# Allegro board gps_interface_boardv51ph_smoothed.brd (continued)
## Routing (per net, layer and track width the routed paths; a pad name or vN(x,y) marks a point on that pad's centre or on a via; arc(x,y) is an arc through that point) (continued)
FMC.AUXOUT0_P: length 161.8
  TOP w0.33: P2.8 281.31,53.01 arc(281.07,52.91) 280.97,52.68 280.97,49.28 arc(280.85,48.65) 280.49,48.11 277.06,44.68 arc(276.52,44.32) 275.89,44.2 259.16,44.2 arc(258.53,44.32) 257.99,44.68 254.21,48.47 arc(253.85,48.71) 253.42,48.79 173.38,48.79 arc(172.95,48.71) 172.59,48.47 158.06,33.94 arc(157.82,33.58) 157.73,33.15 157.73,15.4 arc(157.82,14.97) 158.06,14.61 158.53,14.14 arc(158.89,13.6) 159.02,12.97 159.02,12.36 arc(159.06,12.14) 159.18,11.97 159.22,11.92 arc(159.34,11.74) 159.38,11.53 v1(159.38,11.14)
  BOTTOM w0.33: 159.38,12.06 v1(159.38,11.14)
FMC.AUXOUT1_N: length 163.7
  TOP w0.33: v1(154.31,11.14) 154.31,11.53 arc(154.35,11.74) 154.47,11.92 154.51,11.97 arc(154.63,12.14) 154.67,12.36 154.67,12.97 arc(154.59,13.4) 154.35,13.76 153.87,14.23 arc(153.52,14.77) 153.39,15.4 153.39,35.05 arc(153.52,35.68) 153.87,36.21 168.08,50.42 arc(168.61,50.78) 169.25,50.9 254.23,50.9 arc(254.86,50.78) 255.4,50.42 258.85,46.96 arc(259.22,46.72) 259.64,46.63 272.59,46.63 arc(273.01,46.72) 273.38,46.96 275.11,48.69 arc(275.35,49.06) 275.44,49.49 275.44,53.05 arc(275.56,53.68) 275.92,54.22 276.37,54.66 arc(276.52,54.9) 276.58,55.18 P2.11
  BOTTOM w0.33: J8.G19 v1(154.31,11.14)
FMC.AUXOUT1_P: length 161.2
  TOP w0.33: v1(155.57,11.14) 155.57,11.53 arc(155.53,11.74) 155.41,11.92 155.37,11.97 arc(155.25,12.14) 155.21,12.36 155.21,12.97 arc(155.08,13.6) 154.72,14.14 154.25,14.61 arc(154.01,14.97) 153.92,15.4 153.92,35.05 arc(154.01,35.47) 154.25,35.84 168.46,50.04 arc(168.82,50.28) 169.25,50.37 254.23,50.37 arc(254.66,50.28) 255.02,50.04 258.48,46.58 arc(259.01,46.23) 259.64,46.1 272.59,46.1 arc(273.22,46.23) 273.75,46.58 275.49,48.32 arc(275.85,48.85) 275.97,49.49 275.97,52.68 arc(276.07,52.91) 276.3,53.01 P2.12
  BOTTOM w0.33: J8.G18 v1(155.57,11.14)
FMC.AUXOUT2_N: length 162.1
  TOP w0.33: P2.15 271.5,55.15 arc(271.44,54.84) 271.26,54.58 270.73,54.04 arc(270.4,53.55) 270.28,52.96 270.28,50.25 arc(270.2,49.82) 269.95,49.46 269.34,48.84 arc(268.98,48.6) 268.55,48.51 260.46,48.51 arc(260.03,48.6) 259.67,48.84 256.34,52.17 arc(255.8,52.53) 255.17,52.65 166.67,52.65 arc(166.04,52.53) 165.51,52.17 150.06,36.73 arc(149.71,36.19) 149.58,35.56 149.58,15.14 arc(149.71,14.51) 150.06,13.98 150.58,13.46 arc(150.79,13.15) 150.86,12.78 150.86,12.36 arc(150.82,12.14) 150.7,11.97 150.66,11.92 arc(150.54,11.74) 150.5,11.53 v1(150.5,11.14)
  BOTTOM w0.33: J8.G22 v1(150.5,11.14)
FMC.AUXOUT2_P: length 160.1
  TOP w0.33: P2.16 271.25,53.26 271.14,53.26 arc(270.91,53.17) 270.81,52.93 270.81,50.25 arc(270.69,49.62) 270.33,49.08 269.72,48.46 arc(269.18,48.11) 268.55,47.98 260.46,47.98 arc(259.83,48.11) 259.29,48.46 255.96,51.79 arc(255.6,52.04) 255.17,52.12 166.67,52.12 arc(166.25,52.04) 165.88,51.79 150.44,36.35 arc(150.2,35.99) 150.11,35.56 150.11,15.14 arc(150.2,14.72) 150.44,14.35 150.96,13.83 arc(151.28,13.35) 151.4,12.78 151.4,12.36 arc(151.44,12.14) 151.56,11.97 151.6,11.92 arc(151.72,11.74) 151.76,11.53 v1(151.76,11.14)
  BOTTOM w0.33: 151.76,12.06 v1(151.76,11.14)
FMC.AUXOUT3_N: length 155.4
  TOP w0.33: P2.19 266.42,54.88 arc(266.31,54.6) 266.03,54.48 164.84,54.48 arc(164.21,54.36) 163.68,54 146.36,36.68 arc(146,36.14) 145.87,35.51 145.87,14.81 arc(146,14.18) 146.36,13.65 146.86,13.15 arc(147,12.93) 147.05,12.67 147.05,12.36 arc(147.01,12.14) 146.89,11.97 146.85,11.92 arc(146.73,11.74) 146.69,11.53 v1(146.69,11.14)
  BOTTOM w0.33: J8.G25 v1(146.69,11.14)
FMC.AUXOUT3_P: length 154.4
  TOP w0.33: P2.20 266.42,53.62 arc(266.32,53.85) 266.09,53.95 164.84,53.95 arc(164.42,53.86) 164.05,53.62 146.73,36.3 arc(146.49,35.94) 146.41,35.51 146.41,14.81 arc(146.49,14.39) 146.73,14.02 147.23,13.52 arc(147.49,13.13) 147.59,12.67 147.59,12.36 arc(147.63,12.14) 147.75,11.97 147.79,11.92 arc(147.91,11.74) 147.96,11.53 v1(147.96,11.14)
  BOTTOM w0.33: J8.G24 v1(147.96,11.14)
FMC.CLK_FILTER_A: length 123
  TOP w0.203: U18.16 102.64,34.47 arc(101.92,34.77) 101.63,35.48 v1(101.63,42.29) ; v1(93.57,120.78) 93.57,131.95 arc(92.87,133.66) 91.16,134.37 81.96,134.37 arc(81.73,134.32) 81.54,134.19 U1.1
  BOTTOM w0.203: v1(101.63,42.29) 92.41,42.29 arc(91.69,42.59) 91.39,43.31 91.39,101.9 arc(91.47,102.28) 91.69,102.61 93.28,104.2 arc(93.5,104.53) 93.57,104.92 v1(93.57,120.78)
FMC.CLK_FILTER_B: length 138.5
  TOP w0.203: U1.6 78.08,133.99 arc(77.58,134.2) 77.37,134.7 77.37,135.66 arc(77.87,136.88) 79.1,137.39 81.8,137.39 arc(82.19,137.31) 82.52,137.09 83.62,135.98 arc(83.95,135.76) 84.34,135.69 91.59,135.69 arc(94.05,134.67) 95.07,132.21 95.07,120.55 arc(94.75,119.78) 93.98,119.46 92.79,119.46 v1(92.76,119.48) ; U18.14 104.49,37.84 arc(104.41,38.23) 104.19,38.56 103.76,38.99 arc(103.48,39.66) 103.76,40.33 v1(104.49,41.06)
  BOTTOM w0.203: v1(104.49,41.06) 91.84,41.06 arc(91.06,41.38) 90.74,42.16 90.74,102.73 arc(90.81,103.12) 91.03,103.45 92.46,104.88 arc(92.68,105.21) 92.76,105.6 v1(92.76,119.48)
FMC.CLK_FROM_FPGA_N: length 153
  TOP w0.33: v1(98.64,53.54) 98.39,53.79 arc(98.25,54) 98.2,54.26 98.2,63.01 arc(98.23,63.2) 98.34,63.37 98.53,63.55 arc(98.75,63.89) 98.83,64.28 98.83,71.38 arc(98.92,71.8) 99.16,72.17 99.87,72.88 arc(100.23,73.12) 100.66,73.2 102.26,73.2 arc(102.43,73.17) 102.58,73.07 102.62,73.03 arc(102.77,72.93) 102.93,72.9 C2736.1 ; v1(165.74,11.14) 165.74,11.53 arc(165.78,11.74) 165.9,11.92 165.94,11.97 arc(166.06,12.14) 166.1,12.36 166.1,12.75 arc(166.04,13.09) 165.85,13.38 165.3,13.92 arc(164.95,14.45) 164.82,15.09 164.82,28.27 arc(164.95,28.9) 165.3,29.44 177.52,41.66 arc(177.77,42.02) 177.85,42.45 177.85,43.46 arc(177.81,43.69) 177.68,43.88 v1(177.46,44.1)
  SIG w0.203: v1(177.46,44.1) 177.87,43.68 arc(177.94,43.59) 177.96,43.47 177.96,43.31 177.95,43.3 177.95,43.13 177.5,42.67 arc(177.3,42.54) 177.06,42.49 174.37,42.49 arc(174.14,42.54) 173.94,42.67 173.25,43.37 arc(172.92,43.59) 172.53,43.66 102.16,43.66 arc(101.92,43.71) 101.73,43.84 98.31,47.26 arc(98.18,47.45) 98.13,47.69 98.13,52.7 arc(98.19,53.01) 98.37,53.28 v1(98.64,53.54)
  BOTTOM w0.33: J8.G10 v1(165.74,11.14)
FMC.CLK_FROM_FPGA_P: length 155.3
  TOP w0.33: v1(167,11.14) 167,11.53 arc(166.96,11.74) 166.84,11.92 166.8,11.97 arc(166.68,12.14) 166.64,12.36 166.64,12.75 arc(166.53,13.3) 166.22,13.75 165.68,14.3 arc(165.44,14.66) 165.35,15.09 165.35,28.27 arc(165.44,28.7) 165.68,29.06 177.9,41.28 arc(178.26,41.82) 178.38,42.45 178.38,43.71 arc(178.5,43.98) 178.78,44.1 v1(178.87,44.1) ; C2735.1 102.93,74.04 arc(102.77,74.01) 102.62,73.91 102.58,73.87 arc(102.43,73.77) 102.26,73.74 100.66,73.74 arc(100.03,73.61) 99.49,73.25 98.78,72.54 arc(98.42,72.01) 98.3,71.38 98.3,64.28 arc(98.26,64.09) 98.15,63.93 97.97,63.74 arc(97.74,63.41) 97.66,63.01 97.66,54.26 arc(97.61,54) 97.47,53.79 v1(97.22,53.54)
  SIG w0.203: v1(97.22,53.54) 97.49,53.28 arc(97.66,53.01) 97.73,52.7 97.73,47.69 arc(97.8,47.3) 98.02,46.97 101.44,43.55 arc(101.77,43.33) 102.16,43.26 172.53,43.26 arc(172.76,43.21) 172.96,43.08 173.65,42.39 arc(173.98,42.17) 174.37,42.09 177.06,42.09 arc(177.45,42.17) 177.78,42.39 178.36,42.96 178.36,43.13 178.37,43.14 178.37,43.47 arc(178.39,43.59) 178.46,43.69 v1(178.87,44.1)
  BOTTOM w0.33: J8.G9 v1(167,11.14)
FMC.CLK_GEN_INTR*: length 51.3
  TOP w0.203: v1(113.28,39.47) 113.69,39.07 arc(113.92,38.51) 113.69,37.95 113.47,37.73 arc(113.33,37.52) 113.28,37.27 U17.4 ; U48.12 106.36,78.13 arc(106.23,78.16) 106.12,78.23 v1(105.99,78.36)
  BOTTOM w0.203: v1(113.28,39.47) 111.63,41.13 arc(111.41,41.46) 111.33,41.85 111.33,65.85 arc(111.25,66.24) 111.03,66.57 106.29,71.3 arc(106.07,71.63) 105.99,72.02 v1(105.99,78.36)
FMC.CLK_GEN_LOL*: length 80.7
  TOP w0.203: v1(125.35,83.74) 125.17,83.56 arc(125,83.45) 124.81,83.41 122.61,83.41 arc(122.44,83.38) 122.3,83.29 122.27,83.26 arc(122.13,83.17) 121.97,83.13 U48.47 ; U17.5 v1(112.63,38.25)
  SIG w0.203: v1(105.02,64.07) 105.02,67.48 arc(104.94,67.87) 104.72,68.2 104.01,68.92 arc(103.79,69.25) 103.71,69.64 103.71,77.71 arc(103.79,78.1) 104.01,78.43 107.68,82.1 arc(108.01,82.32) 108.4,82.4 120.81,82.4 arc(121.2,82.47) 121.53,82.7 122.28,83.45 arc(122.61,83.67) 123,83.74 v1(125.35,83.74)
  BOTTOM w0.203: v1(112.63,38.25) 109.77,41.11 arc(109.55,41.44) 109.47,41.83 109.47,48.88 arc(109.4,49.27) 109.18,49.6 105.81,52.97 arc(105.59,53.3) 105.51,53.68 105.51,56.93 arc(105.43,57.32) 105.21,57.65 102.1,60.76 arc(101.88,61.09) 101.8,61.48 101.8,62.4 arc(101.88,62.79) 102.1,63.11 Q1.1 v1(105.02,64.07)
FMC.CLK_GEN_RST*: length 76.7
  TOP w0.203: v1(98.96,43.74) 104.7,43.74 arc(106.01,43.2) 106.55,41.88 106.55,40.5 arc(106.48,40.11) 106.26,39.78 105.99,39.52 arc(105.77,39.19) 105.69,38.8 105.69,37.26 105.79,37.17 U18.12 ; v1(104.98,81.13) U48.6
  BOTTOM w0.203: v1(98.96,43.74) 93.12,43.74 arc(92.4,44.04) 92.1,44.75 92.1,78.04 arc(92.18,78.43) 92.4,78.76 94.47,80.84 arc(94.8,81.06) 95.19,81.13 v1(104.98,81.13)
FMC.CLK_TO_FPGA_N: length 128.5
  TOP w0.203: 125.66,80.7 125.6,80.76 122.53,80.76 arc(122.15,80.84) 121.82,81.06 121.56,81.32 arc(121.23,81.54) 120.84,81.62 120.28,81.62 120.26,81.63 U48.44
  TOP w0.33: v1(175.48,30.4) 175.72,30.16 arc(175.87,29.94) 175.92,29.69 175.92,12.82 arc(175.89,12.68) 175.81,12.56 174.62,11.37 v1(174.62,11.04) ; 125.66,80.7 126.4,79.96 arc(126.51,79.8) 126.54,79.61 126.54,56.83 arc(126.51,56.65) 126.4,56.49 124.5,54.6 arc(124.28,54.27) 124.21,53.88 124.21,42.77 arc(124.17,42.56) 124.05,42.39 v1(123.85,42.19)
  SIG w0.203: v1(123.85,42.19) 124.08,41.96 arc(124.23,41.73) 124.28,41.47 124.28,40.83 arc(124.36,40.44) 124.58,40.11 125.43,39.26 arc(125.76,39.04) 126.15,38.96 172.42,38.96 arc(172.65,38.92) 172.85,38.78 175.81,35.83 arc(175.94,35.63) 175.98,35.4 175.98,31.24 arc(175.92,30.93) 175.75,30.67 v1(175.48,30.4)
  BOTTOM w0.33: J8.G3 v1(174.62,11.04)
FMC.CLK_TO_FPGA_P: length 129.1
  TOP w0.203: U48.45 120.26,82.13 120.28,82.15 120.88,82.15 arc(121.27,82.07) 121.6,81.85 122.1,81.35 arc(122.3,81.22) 122.54,81.17 125.94,81.17
  TOP w0.33: v1(176.89,30.4) 176.65,30.16 arc(176.5,29.94) 176.45,29.69 176.45,12.82 arc(176.38,12.47) 176.19,12.18 176.15,12.14 arc(175.96,11.86) 175.9,11.52 v1(175.9,11.04) ; v1(125.12,42.19) 124.91,42.4 arc(124.78,42.59) 124.74,42.81 124.74,53.88 arc(124.78,54.06) 124.88,54.22 126.78,56.12 arc(127,56.45) 127.08,56.83 127.08,79.61 arc(127,80) 126.78,80.33 125.94,81.17
  SIG w0.203: v1(125.12,42.19) 124.89,41.96 arc(124.74,41.73) 124.69,41.47 124.69,40.83 arc(124.74,40.6) 124.87,40.4 125.72,39.55 arc(125.92,39.42) 126.15,39.37 172.42,39.37 arc(172.81,39.29) 173.14,39.07 176.09,36.11 arc(176.31,35.79) 176.39,35.4 176.39,31.24 arc(176.45,30.93) 176.63,30.67 v1(176.89,30.4)
  BOTTOM w0.33: J8.G2 v1(175.9,11.04)
FMC.DATA_TO_FF_N0: length 161.7
  TOP w0.178: U22.3 279.66,83.77 279.64,83.76 278.68,83.76
  TOP w0.33: 278.68,83.76 277.53,83.76 arc(277.1,83.67) 276.74,83.43 275.69,82.38 arc(275.45,82.01) 275.36,81.59 275.36,65.52 arc(275.44,65.14) 275.65,64.82 276,64.47 276.27,64.47 arc(276.46,64.5) 276.61,64.61 v1(276.91,64.9)
  BOTTOM w0.33: J8.H8 168.48,13.54 arc(168.6,13.72) 168.64,13.93 168.64,25.54 arc(168.77,26.17) 169.13,26.71 179.91,37.49 arc(180.44,37.85) 181.07,37.97 241.17,37.97 arc(241.6,38.06) 241.97,38.3 267.65,63.98 arc(268.18,64.34) 268.81,64.47 276.19,64.47 arc(276.45,64.52) 276.67,64.66 v1(276.91,64.9)
FMC.DATA_TO_FF_N1: length 155.7
  TOP w0.178: U26.3 257.59,83.87 257.57,83.86 256.6,83.86
  TOP w0.33: 256.6,83.86 255,83.86 arc(254.54,83.67) 254.36,83.22 254.36,79.97 arc(254.23,79.33) 253.87,78.8 252.91,77.83 arc(252.66,77.47) 252.58,77.04 252.58,70.81 arc(252.66,70.39) 252.91,70.02 256.56,66.37 arc(256.92,66.13) 257.35,66.04 261.38,66.04 arc(261.64,66.09) 261.86,66.24 v1(262.1,66.48)
  BOTTOM w0.33: J8.H11 164.67,13.54 arc(164.79,13.72) 164.83,13.93 164.83,25.01 arc(164.96,25.64) 165.32,26.18 179.25,40.11 arc(179.78,40.46) 180.41,40.59 234.28,40.59 arc(234.71,40.67) 235.07,40.92 259.71,65.56 arc(260.25,65.91) 260.88,66.04 261.38,66.04 arc(261.64,66.09) 261.86,66.24 v1(262.1,66.48)
FMC.DATA_TO_FF_N2: length 134.3
  TOP w0.178: 234.3,83.86 235.27,83.86 235.28,83.87 U30.3
  TOP w0.33: v1(235.69,57.77) 235.44,57.52 arc(235.23,57.38) 234.97,57.33 233.71,57.33 arc(233.28,57.41) 232.92,57.66 231.21,59.36 arc(230.97,59.73) 230.89,60.15 230.89,81.59 arc(230.97,82.01) 231.21,82.38 232.37,83.53 arc(232.73,83.77) 233.16,83.86 234.3,83.86
  BOTTOM w0.33: J8.H14 160.86,13.54 arc(160.98,13.72) 161.02,13.93 161.02,25.03 arc(161.15,25.66) 161.51,26.19 177.86,42.54 arc(178.39,42.9) 179.03,43.03 217.67,43.03 arc(218.1,43.11) 218.46,43.36 231.95,56.84 arc(232.49,57.2) 233.12,57.33 234.97,57.33 arc(235.23,57.38) 235.44,57.52 v1(235.69,57.77)
FMC.DATA_TO_FF_N3: length 108.7
  TOP w0.178: U34.3 206.07,83.87 206.06,83.86 205.09,83.86
  TOP w0.33: 205.09,83.86 203.48,83.86 arc(203.03,83.67) 202.84,83.22 202.84,81.25 arc(202.72,80.62) 202.36,80.09 198.7,76.43 arc(198.46,76.06) 198.37,75.64 198.37,61.12 arc(198.46,60.69) 198.7,60.33 201.55,57.48 arc(201.91,57.24) 202.34,57.15 203.52,57.15 arc(203.78,57.2) 204,57.35 v1(204.24,57.59)
  BOTTOM w0.33: v1(204.24,57.59) 204,57.35 arc(203.78,57.2) 203.52,57.15 201.34,57.15 arc(200.71,57.02) 200.18,56.67 193.88,50.37 arc(193.51,50.12) 193.08,50.04 182.05,50.04 arc(181.42,49.91) 180.88,49.55 157.7,26.37 arc(157.34,25.84) 157.21,25.2 157.21,13.93 arc(157.17,13.72) 157.05,13.54 J8.H17
FMC.DATA_TO_FF_N4: length 98.3
  TOP w0.178: U38.3 183.77,83.87 183.76,83.86 182.79,83.86
  TOP w0.33: v1(189.33,57.56) 189.09,57.32 arc(188.87,57.18) 188.61,57.12 187.25,57.12 arc(186.82,57.21) 186.46,57.45 179.47,64.43 arc(179.23,64.8) 179.15,65.23 179.15,81.36 arc(179.23,81.79) 179.47,82.15 180.86,83.53 arc(181.22,83.77) 181.65,83.86 182.79,83.86
  BOTTOM w0.33: J8.H20 153.24,13.54 arc(153.36,13.72) 153.4,13.93 153.4,25.21 arc(153.53,25.84) 153.89,26.38 184.15,56.64 arc(184.68,57) 185.32,57.12 188.61,57.12 arc(188.87,57.18) 189.09,57.32 v1(189.33,57.56)
FMC.DATA_TO_FF_N5: length 112.7
  TOP w0.178: 160.67,83.86 161.63,83.86 161.65,83.87 U42.3
  TOP w0.33: 160.67,83.86 159.52,83.86 arc(159.1,83.77) 158.73,83.53 157.15,81.95 arc(156.9,81.58) 156.82,81.15 156.82,61.57 arc(156.9,61.14) 157.15,60.78 160.4,57.53 arc(160.76,57.29) 161.19,57.2 180.61,57.2 arc(180.87,57.25) 181.09,57.4 v1(181.33,57.64)
  BOTTOM w0.33: J8.H23 149.43,13.54 arc(149.55,13.72) 149.59,13.93 149.59,28.79 arc(149.72,29.42) 150.08,29.95 176.84,56.72 arc(177.38,57.08) 178.01,57.2 180.61,57.2 arc(180.87,57.25) 181.09,57.4 v1(181.33,57.64)
FMC.DATA_TO_FF_P0: length 162.5
  TOP w0.178: 279.64,84.29 279.66,84.27 U22.2
  TOP w0.33: 279.64,84.29 277.53,84.29 arc(276.9,84.16) 276.36,83.81 275.31,82.75 arc(274.95,82.22) 274.83,81.59 274.83,65.52 arc(274.94,64.94) 275.28,64.44 275.78,63.93 276.19,63.93 arc(276.45,63.88) 276.67,63.74 v1(276.91,63.49)
  BOTTOM w0.33: v1(276.91,63.49) 276.67,63.74 arc(276.45,63.88) 276.19,63.93 268.81,63.93 arc(268.39,63.85) 268.02,63.6 242.34,37.92 arc(241.81,37.57) 241.17,37.44 181.07,37.44 arc(180.65,37.35) 180.28,37.11 169.5,26.33 arc(169.26,25.97) 169.18,25.54 169.18,13.93 arc(169.22,13.72) 169.34,13.54 169.54,13.34
FMC.DATA_TO_FF_P1: length 156.5
  TOP w0.178: 257.57,84.39 257.59,84.37 U26.2
  TOP w0.33: v1(262.1,65.07) 261.86,65.31 arc(261.64,65.46) 261.38,65.51 257.35,65.51 arc(256.72,65.63) 256.18,65.99 252.53,69.65 arc(252.17,70.18) 252.04,70.81 252.04,77.04 arc(252.17,77.67) 252.53,78.21 253.49,79.17 arc(253.74,79.54) 253.82,79.97 253.82,83.22 arc(254.17,84.05) 255,84.39 257.57,84.39
  BOTTOM w0.33: J8.H10 165.53,13.54 arc(165.41,13.72) 165.37,13.93 165.37,25.01 arc(165.45,25.44) 165.69,25.8 179.62,39.73 arc(179.99,39.97) 180.41,40.06 234.28,40.06 arc(234.92,40.18) 235.45,40.54 260.09,65.18 arc(260.45,65.42) 260.88,65.51 261.38,65.51 arc(261.64,65.46) 261.86,65.31 v1(262.1,65.07)
FMC.DATA_TO_FF_P2: length 135.1
  TOP w0.178: U30.2 235.28,84.37 235.27,84.39
  TOP w0.33: 235.27,84.39 233.16,84.39 arc(232.53,84.27) 231.99,83.91 230.84,82.75 arc(230.48,82.22) 230.35,81.59 230.35,60.15 arc(230.48,59.52) 230.84,58.99 232.54,57.28 arc(233.08,56.92) 233.71,56.79 234.97,56.79 arc(235.23,56.74) 235.44,56.6 v1(235.69,56.35)
  BOTTOM w0.33: v1(235.69,56.35) 235.44,56.6 arc(235.23,56.74) 234.97,56.79 233.12,56.79 arc(232.69,56.71) 232.33,56.47 218.84,42.98 arc(218.3,42.62) 217.67,42.49 179.03,42.49 arc(178.6,42.41) 178.23,42.17 161.88,25.82 arc(161.64,25.45) 161.56,25.03 161.56,13.93 arc(161.6,13.72) 161.72,13.54 J8.H13
FMC.DATA_TO_FF_P3: length 109.5
  TOP w0.178: 206.06,84.39 206.07,84.37 U34.2
  TOP w0.33: v1(204.24,56.18) 204,56.42 arc(203.78,56.57) 203.52,56.62 202.34,56.62 arc(201.71,56.74) 201.17,57.1 198.32,59.95 arc(197.97,60.49) 197.84,61.12 197.84,75.64 arc(197.97,76.27) 198.32,76.8 201.98,80.46 arc(202.23,80.83) 202.31,81.25 202.31,83.22 arc(202.65,84.05) 203.48,84.39 206.06,84.39
  BOTTOM w0.33: J8.H16 157.91,13.54 arc(157.79,13.72) 157.75,13.93 157.75,25.2 arc(157.83,25.63) 158.07,25.99 181.26,49.18 arc(181.62,49.42) 182.05,49.5 193.08,49.5 arc(193.72,49.63) 194.25,49.99 200.55,56.29 arc(200.92,56.53) 201.34,56.62 203.52,56.62 arc(203.78,56.57) 204,56.42 v1(204.24,56.18)
FMC.DATA_TO_FF_P4: length 99.1
  TOP w0.178: U38.2 183.77,84.37 183.76,84.39
  TOP w0.33: v1(189.33,56.15) 189.09,56.39 arc(188.87,56.54) 188.61,56.59 187.25,56.59 arc(186.62,56.72) 186.08,57.07 179.1,64.06 arc(178.74,64.59) 178.61,65.23 178.61,81.36 arc(178.74,81.99) 179.1,82.53 180.48,83.91 arc(181.01,84.27) 181.65,84.39 183.76,84.39
  BOTTOM w0.33: v1(189.33,56.15) 189.09,56.39 arc(188.87,56.54) 188.61,56.59 185.32,56.59 arc(184.89,56.51) 184.53,56.26 154.26,26 arc(154.02,25.64) 153.94,25.21 153.94,13.93 arc(153.98,13.72) 154.1,13.54 J8.H19
FMC.DATA_TO_FF_P5: length 113.6
  TOP w0.178: U42.2 161.65,84.37 161.63,84.39
  TOP w0.33: v1(181.33,56.23) 181.09,56.47 arc(180.87,56.62) 180.61,56.67 161.19,56.67 arc(160.55,56.79) 160.02,57.15 156.77,60.4 arc(156.41,60.94) 156.29,61.57 156.29,81.15 arc(156.41,81.79) 156.77,82.32 158.36,83.91 arc(158.89,84.27) 159.52,84.39 161.63,84.39
  BOTTOM w0.33: v1(181.33,56.23) 181.09,56.47 arc(180.87,56.62) 180.61,56.67 178.01,56.67 arc(177.58,56.58) 177.22,56.34 150.45,29.58 arc(150.21,29.21) 150.13,28.79 150.13,13.93 arc(150.17,13.72) 150.29,13.54 J8.H22
FMC.FPGA_CLK_FILTER_A: length 93.9
  TOP w0.203: v1(100.97,24.82) 100.97,27.56 arc(101.26,28.27) 101.98,28.57 U18.1
  SIG w0.203: v1(100.97,24.82) 100.22,24.07 arc(100,23.74) 99.92,23.35 99.92,6.65 arc(101.62,2.56) 105.71,0.86 158.75,0.86 arc(160.44,1.56) 161.14,3.25 161.14,5.25 arc(161.08,5.55) 160.91,5.8 v1(160.66,6.06)
  BOTTOM w0.33: J8.C14 v1(160.66,6.06)
FMC.FPGA_CLK_FILTER_B: length 85.8
  TOP w0.203: v1(103.59,23.77) 104.19,24.38 arc(104.41,24.71) 104.49,25.09 U18.3
  SIG w0.203: v1(159.38,6.06) 159.44,6.01 159.44,4.62 arc(158.52,2.41) 156.31,1.5 106.63,1.5 arc(105.43,2) 104.93,3.2 104.93,11.52 arc(104.85,11.91) 104.63,12.24 103.88,12.98 arc(103.66,13.31) 103.59,13.7 v1(103.59,23.77)
  BOTTOM w0.33: 159.38,6.99 v1(159.38,6.06)
FMC.FPGA_CLK_GEN_INTR*: length 51.9
  TOP w0.203: v1(144.15,6.06) 143.01,7.2 arc(142.68,7.42) 142.29,7.49 126.36,7.49 arc(124.86,8.12) 124.23,9.63 124.23,19.37 arc(123.2,21.86) 120.72,22.89 113.66,22.89 arc(112.8,23.24) 112.45,24.1 112.45,26.61 arc(112.52,27) 112.74,27.33 112.99,27.57 arc(113.21,27.9) 113.28,28.29 U17.11
  BOTTOM w0.33: J8.C27 v1(144.15,6.06)
FMC.FPGA_CLK_GEN_LOL*: length 75.1
  TOP w0.203: v1(110.98,22.96) 111.44,23.42 arc(111.66,23.75) 111.73,24.14 111.73,26.82 arc(111.81,27.21) 112.03,27.54 112.38,27.88 arc(112.57,28.17) 112.63,28.5 U17.10
  SIG w0.203: v1(165.74,6.06) 164.95,6.84 arc(164.62,7.06) 164.23,7.14 155.77,7.14 arc(155.59,7.1) 155.44,7 155.41,6.97 arc(155.26,6.87) 155.07,6.83 138.84,6.83 138.81,6.81 134.76,6.81 arc(134.56,6.85) 134.39,6.96 arc(134.19,7.09) 133.96,7.14 117.26,7.14 arc(116.87,7.21) 116.54,7.44 111.28,12.7 arc(111.06,13.03) 110.98,13.42 v1(110.98,22.96)
  BOTTOM w0.33: J8.C10 v1(165.74,6.06)
FMC.FPGA_CLK_GEN_RST*: length 60.2
  TOP w0.203: v1(145.41,6.06) 145.41,5.57 arc(145.29,5.26) 144.97,5.13 144.49,5.13 arc(144.1,5.21) 143.77,5.43 142.49,6.71 arc(142.16,6.93) 141.77,7.01 125.83,7.01 arc(124.27,7.66) 123.62,9.22 123.62,17.44 arc(122.91,19.15) 121.2,19.86 108.86,19.86 arc(106.69,20.76) 105.79,22.94 U18.5
  BOTTOM w0.33: J8.C26 v1(145.41,6.06)
FMC.FPGA_GPS_CLK_EN*: length 86.2
  TOP w0.203: U18.4 v1(105.14,20.24)
  SIG w0.203: v1(105.14,20.24) 105.14,14.56 arc(105.21,14.17) 105.43,13.85 107.04,12.24 arc(107.26,11.91) 107.34,11.52 107.34,4.98 arc(108.18,2.95) 110.21,2.11 152.21,2.11 arc(152.6,2.19) 152.93,2.41 156.93,6.41 arc(157.26,6.63) 157.65,6.71 163.4,6.71 arc(163.79,6.63) 164.11,6.41 v1(164.47,6.06)
  BOTTOM w0.33: J8.C11 v1(164.47,6.06)
FMC.FPGA_I2C_EXT_INT0*: length 72.2
  TOP w0.203: v1(114.76,25.3) 114.22,25.83 arc(113.99,26.4) 114.22,26.97 114.29,27.03 arc(114.51,27.36) 114.58,27.75 U17.13
  SIG w0.203: v1(114.76,25.3) 119.13,25.3 arc(120.74,24.63) 121.41,23.02 121.41,21.46 arc(121.77,20.6) 122.63,20.24 125.79,20.24 arc(126.18,20.17) 126.51,19.95 126.91,19.55 arc(127.24,19.33) 127.62,19.25 133.76,19.25 arc(134.47,18.96) 134.77,18.24 134.77,13.91 arc(134.85,13.52) 135.07,13.19 135.39,12.87 arc(135.61,12.54) 135.69,12.15 135.69,9.42 arc(136.1,8.44) 137.08,8.03 153.33,8.03 arc(153.93,8.27) 154.18,8.87 154.18,9.4 arc(154.11,9.73) 153.93,10.01 153.9,10.03 arc(153.71,10.31) 153.64,10.64 153.64,11.32 arc(153.94,12.03) 154.64,12.32 160.32,12.32 arc(160.74,12.15) 160.91,11.73 160.91,11.57 arc(160.97,11.25) 161.15,10.99 161.18,10.96 arc(161.35,10.69) 161.42,10.38 161.42,9.93 arc(161.2,9.4) 160.67,9.18 v1(160.66,9.18)
  BOTTOM w0.33: J8.D14 v1(160.66,9.18)
FMC.FPGA_I2C_EXT_INT1*: length 69.3
  TOP w0.203: U17.12 113.93,28.02 arc(113.86,27.63) 113.64,27.3 113.61,27.27 arc(113.39,26.94) 113.31,26.55 v1(113.31,25.3)
  SIG w0.203: v1(113.31,25.3) 113.8,24.81 arc(114.13,24.59) 114.52,24.51 118.12,24.51 arc(119.73,23.85) 120.4,22.24 120.4,19.53 arc(120.98,18.13) 122.38,17.55 128.57,17.55 arc(129.89,17.01) 130.43,15.7 130.43,14.61 arc(130.82,13.67) 131.75,13.28 133.99,13.28 arc(134.74,12.97) 135.05,12.22 135.05,9.25 arc(135.54,8.08) 136.7,7.59 138.46,7.59 138.48,7.62 153.72,7.62 arc(154.33,7.87) 154.58,8.48 154.58,8.8 arc(154.66,9.19) 154.88,9.52 156.98,11.61 arc(157.31,11.84) 157.7,11.91 159.58,11.91 arc(159.96,11.75) 160.12,11.37 160.12,11.22 arc(160.04,10.83) 159.82,10.5 159.68,10.35 arc(159.46,10.03) 159.38,9.64 v1(159.38,9.18)
  BOTTOM w0.33: 159.38,8.26 v1(159.38,9.18)
FMC.FPGA_I2C_EXT_RST*: length 74.7
  TOP w0.203: v1(108,22.17) 106.73,23.44 arc(106.51,23.77) 106.44,24.16 U18.6
  SIG w0.203: v1(108,22.17) 108,6.55 arc(109.12,3.84) 111.84,2.72 151.81,2.72 arc(152.2,2.8) 152.53,3.02 v1(155.57,6.06)
  BOTTOM w0.33: J8.C18 v1(155.57,6.06)
FMC.FPGA_I2C_SW_RST*: length 68.5
  TOP w0.203: v1(108.69,25.5) 107.87,25.5 arc(107.31,25.73) 107.09,26.28 U18.7
  SIG w0.203: v1(156.84,9.18) 156.84,8.35 arc(156.65,7.87) 156.17,7.67 155.75,7.67 arc(155.47,7.62) 155.23,7.46 155.21,7.43 arc(154.97,7.27) 154.69,7.21 135.12,7.21 arc(134.92,7.25) 134.75,7.36 134.75,7.36 arc(134.3,7.67) 133.77,7.77 117.51,7.77 arc(117.13,7.85) 116.8,8.07 113.21,11.65 arc(112.99,11.98) 112.92,12.37 112.92,22.49 arc(112.84,22.88) 112.62,23.21 110.62,25.2 arc(110.29,25.42) 109.9,25.5 v1(108.69,25.5)
  BOTTOM w0.33: J8.D17 v1(156.84,9.18)
FMC.FPGA_IO_VOLTAGE: length 99.2
  TOP w0.17: R78.1 86.44,5.36 86.46,5.38 v1(86.46,5.97)
  TOP w0.203: R78.1 86.94,4.87 arc(87.24,4.93) 87.5,5.1 87.53,5.13 arc(87.78,5.3) 88.08,5.36 88.82,5.36 88.99,5.19 arc(89.15,5.08) 89.34,5.05 U15.1 U15.6 ; v1(86.46,5.97) 86.46,8.82 arc(86.38,9.21) 86.16,9.54 86.13,9.57 arc(85.91,9.9) 85.84,10.29 Q11.1
  TOP w0.305: C106.1 C107.1 129.06,21.05 129.07,21.04 C105.1 129.07,18.77 arc(128.97,18.29) 128.7,17.88 127.64,16.81
  TOP w0.33: v1(127.64,14.26) 127.64,16.81
  SIG w0.203: v1(128.91,11.14) 128.91,11.38 arc(128.87,11.57) 128.76,11.73 124.22,16.26 arc(123.89,16.48) 123.51,16.56 120.77,16.56 arc(120.38,16.64) 120.05,16.86 119.25,17.66 arc(119.03,17.99) 118.95,18.38 118.95,21.67 arc(118.45,22.87) 117.25,23.37 114.16,23.37 arc(113.77,23.45) 113.44,23.67 112.08,25.03 arc(111.86,25.36) 111.79,25.74 111.79,27.05 arc(111.49,27.77) 110.77,28.07 100.1,28.07 arc(97.8,27.11) 96.85,24.82 96.85,8.31 arc(96.27,6.9) 94.87,6.32 87.05,6.32 arc(86.83,6.28) 86.65,6.16 v1(86.46,5.97)
  BOTTOM w0.33: v1(127.64,14.26) J8.H40 J8.G39 v1(128.91,11.14)
FMC.GPS_CLK_COPY_N: length 301.3
  TOP w0.203: U1.9 79.84,130.35 79.79,130.3 79.79,129.9 arc(79.71,129.51) 79.49,129.18 78.46,128.15 arc(78.33,127.96) 78.28,127.72 78.28,127.13 arc(78.34,126.87) 78.49,126.64 v1(78.72,126.41)
  TOP w0.33: v1(170.6,24.49) 170.85,24.24 arc(170.99,24.02) 171.04,23.77 171.04,20.83 arc(170.96,20.41) 170.72,20.04 169.11,18.44 arc(168.76,17.91) 168.63,17.27 168.63,15.8 arc(168.76,15.17) 169.11,14.63 169.59,14.16 arc(169.83,13.8) 169.91,13.37 169.91,12.36 arc(169.87,12.14) 169.75,11.97 169.71,11.92 arc(169.59,11.74) 169.54,11.53 v1(169.54,11.14)
  BOTTOM w0.33: v1(78.72,126.41) 78.72,126.02 arc(78.68,125.81) 78.56,125.63 78.51,125.58 arc(78.39,125.4) 78.35,125.19 78.35,124.99 arc(78.09,124.36) 77.46,124.1 71.91,124.1 arc(71.49,124.02) 71.12,123.78 68.35,121 arc(68.11,120.64) 68.02,120.21 68.02,82.85 arc(68.11,82.43) 68.35,82.06 68.63,81.78 arc(68.99,81.25) 69.11,80.61 69.11,9.33 arc(69.2,8.9) 69.44,8.54 75.42,2.56 arc(75.78,2.32) 76.21,2.24 182.83,2.24 arc(184.48,2.56) 185.88,3.5 186.27,3.89 arc(186.77,4.64) 186.94,5.52 186.94,15.27 arc(185.97,17.62) 183.62,18.59 173.95,18.59 arc(173.31,18.72) 172.78,19.08 171.53,20.33 arc(171.17,20.86) 171.04,21.49 171.04,23.77 arc(170.99,24.02) 170.85,24.24 v1(170.6,24.49) ; 169.54,12.06 v1(169.54,11.14)